# Altium PCB Layout.PcbDoc (part 2 of 4)
Units mil, origin at the board's own origin, x right, y up, seen from the top; angles counter-clockwise.
Board outline 10232.28 x 5133.86 mil, 4 copper layers (Top Layer, Mid 1, Mid 2, Bottom Layer), stack 23.756 mil thick; 494 components, 257 nets, 1544 pads, 835 vias.
Unrouted connection lines stored in the file: 4.
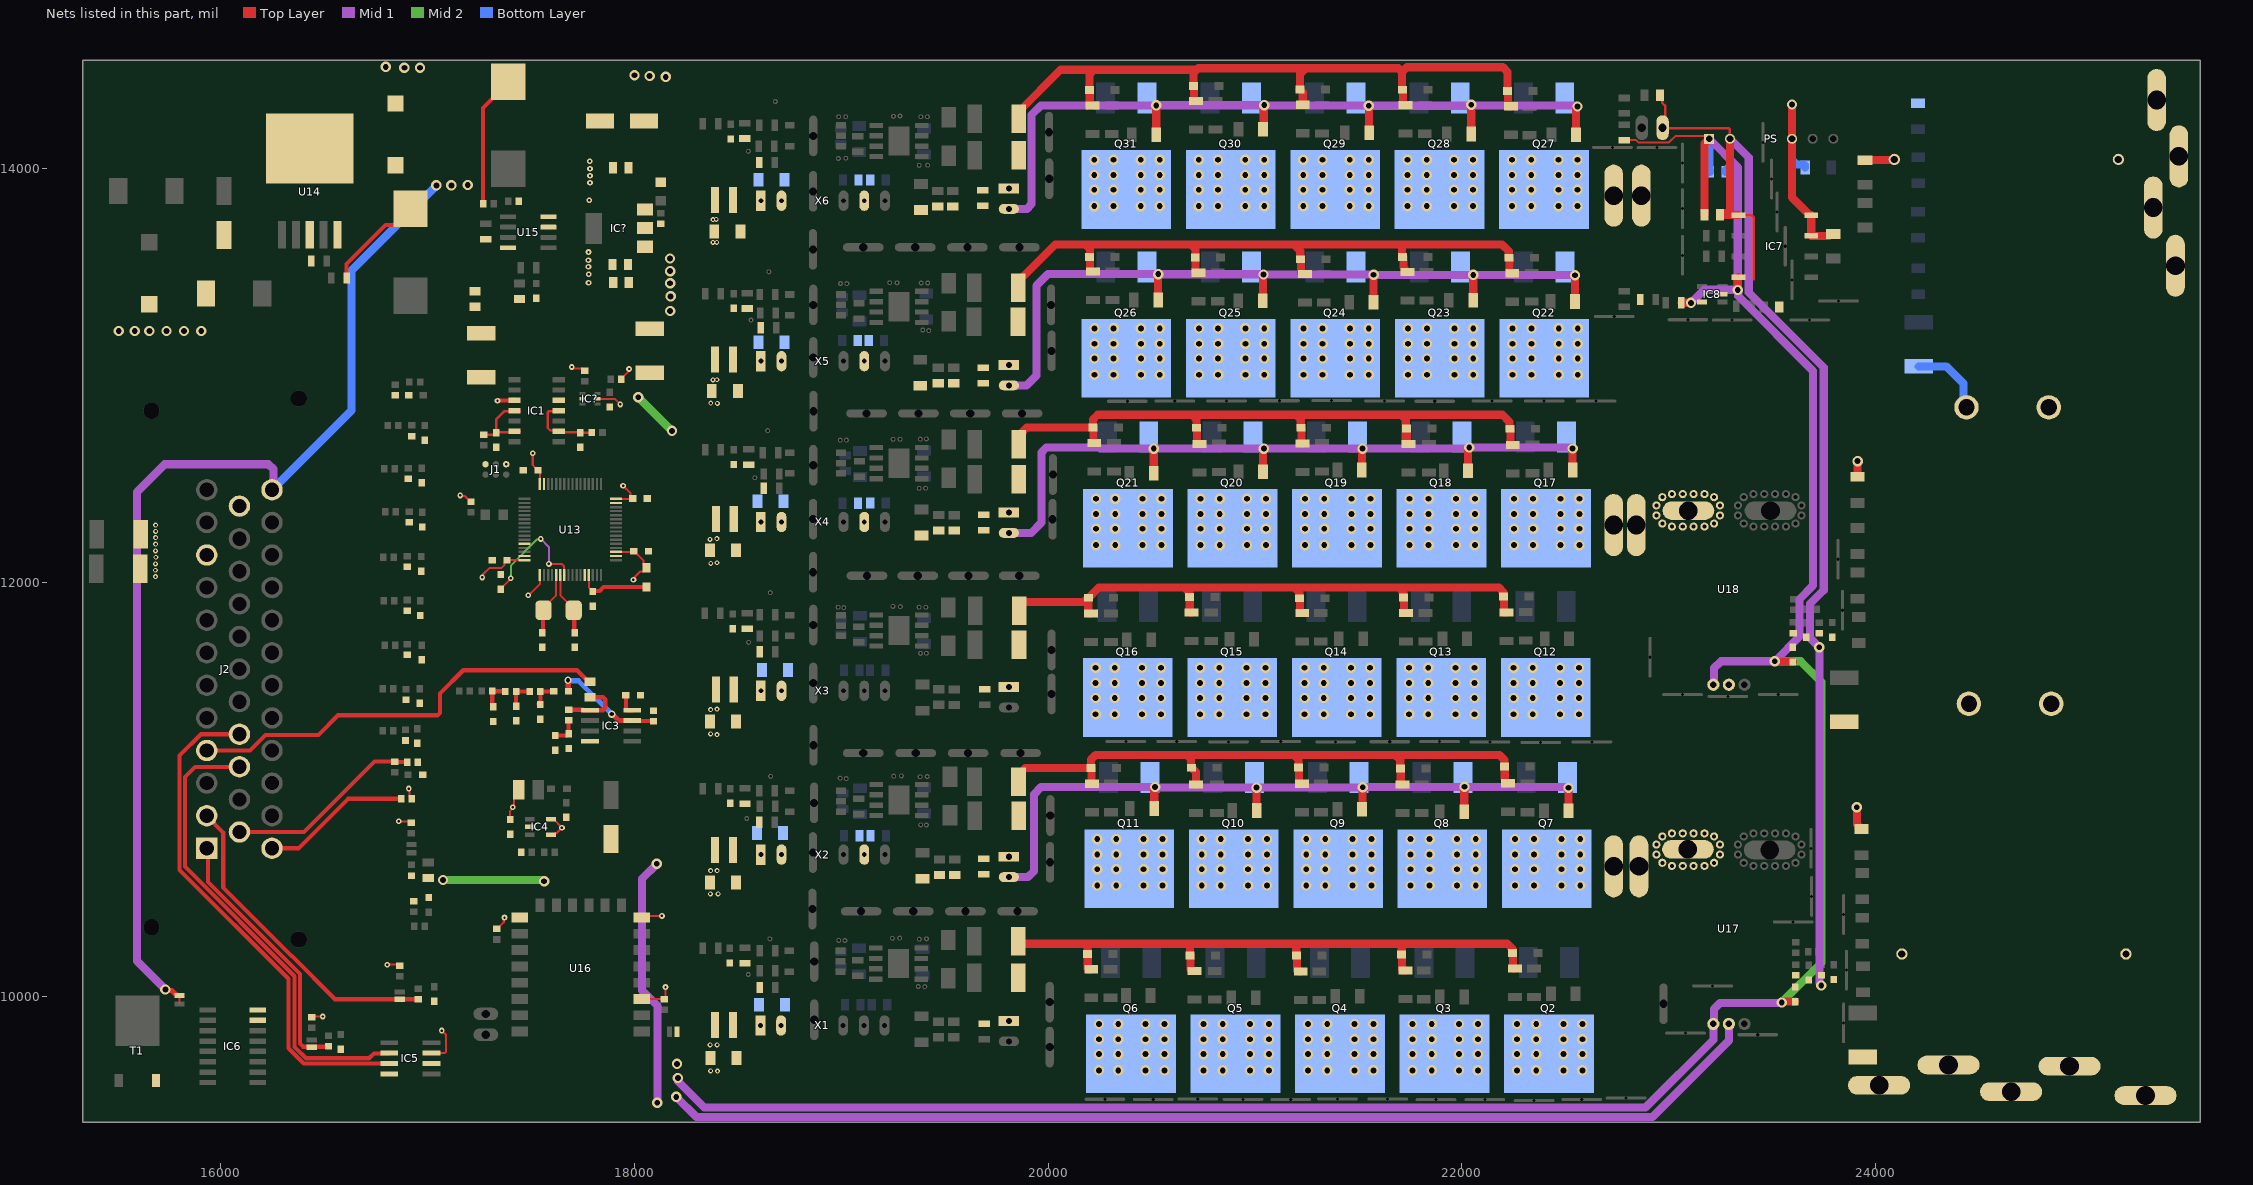
[diagram p4: the nets of this part, all layers, seen from the top]

## Part data
C1 C4 C5 C8 C9 C11 C14 C15 C18 C19 C21 C24 C25 C28 C29 C31 C34 C35 C38 C39 C41 C44 C45 C48 C49 C51 C54 C55 C58 C59 C90 C94 C96 C98 C118: library part C-0805
C2 C3 C10 C12 C13 C20 C22 C23 C30 C32 C33 C40 C42 C43 C50 C52 C53 C60: library part Cap1206, "MLCC (3216) 1206 4.7uF 50VDC ±10% X7R", Manufacturer=SAMSUNG, Özdisan Part Number=CL31B475KBHNNNE, Link=https://www.ozdisan.com/pasif-komponentler/kondansatorler/smd-kondansatorler-mlcc/CL31B475KBHNNNE, Price=0,10407
C6 C7 C16 C17 C26 C27 C36 C37 C46 C47 C56 C57 C126 C128 C129 C130 C131 C132 C133 C134 C135 C136 C137 C138 C139: library part C-1206
C61 C69 C70 C72 C74 C75 C76 C77 C78 C79 C80 C82: library part C-EUC0603, "CAPACITOR, European symbol", DeviceName=C0603, DeviceSetName=C-EU, GateName_1=G$1, LibraryName=rcl, SymbolName_1=C-EU
C62 C63 C64 C65 C66 C67 C68 C71 C84 C85 C86 C87 C88 C89 C95: library part C-0603
C73: library part C-EUC0805, "CAPACITOR, European symbol", DeviceName=C0805, DeviceSetName=C-EU, GateName_1=G$1, LibraryName=rcl, SymbolName_1=C-EU
C81 C93 C97: library part "100 uF Electr Cap"
C91 C92: library part "CAP 330UF SMD", "CAP ALUM 330UF 20% 16V SMD", Package="RADIAL-2 Panasonic", Availability="In Stock", Check_prices=https://www.snapeda.com/parts/EEE-TC1C331V/Panasonic/view-part/6178283/?ref=eda, MF="Panasonic Electronic Components", MP=EEE-TC1C331V, Price=None, Purchase-URL=https://pricing.snapeda.com/search/part/EEE-TC1C331V/?ref=eda, SnapEDA_Link=https://www.snapeda.com/parts/EEE-TC1C331V/Panasonic/view-part/6178283/?ref=snap
C119 C123: library part "CAP.POL 22UF 500VDC", ComponentLink1Description=https://www.ozdisan.com/pasif-komponentler/kondansatorler/film-kondansatorler/C3D2H226JB00C00, ComponentLink1URL=https://www.ozdisan.com/pasif-komponentler/kondansatorler/film-kondansatorler/C3D2H226JB00C00
C120 C121: library part "Aluminum Electrolytic Capacitors", Capacitance=4.7mF, Case/Package=Radial, Manufacturer=Nichicon, Manufacturer Part Number=LKS1J472MESZ, Max Operating Temperature=85°C, Min Operating Temperature=-40°C, Package Quantity=250, Ripple Current=3A, Supplier Part Number 1=647-LKS1J472MESZ, Tolerance=20%, Voltage Rating=63V, ComponentLink2Description=https://www.ozdisan.com/pasif-komponentler/kondansatorler/aluminyum-kondansatorler/PKL5-063V472MM450, ComponentLink2URL=https://www.ozdisan.com/pasif-komponentler/kondansatorler/aluminyum-kondansatorler/PKL5-063V472MM450, Diameter=22mm, Height - Seated (Max)=1.772inch, Lead Pitch=0.394inch, Length=45mm, Life (Hours)=1000Hour, Mount="Through Hole", Packaging=Bulk, RoHS=Yes, Supplier 1=Mouser, Termination="Snap in", Voltage Rating (DC)=63V
D1 D2 D3 D4 D5 D6: "DIODE FAST SWITCHING Single 150mA 75V SMT SOD323"
D7 D11: "Green LED Indication - Discrete 1.7V 0805 (2012 Metric)", Package=None, Availability=Unavailable, MP=7012X1, Price=None
D8: library part DIODESOD-323F, "Diode   SMADIODE - SMA Surface Mount Package  20V 1A Schottky Diode Digikey: 641-1014-6-ND    DO-1N4148 - Through Hole Small Current Diode SOD-123 20V 1 A (.5mV Vf) Schottky Diode - Digikey: MBRX120TPMSCT-ND    SOD-323 10V 570mA (.38mV Vf, 3ns) Schottky Diode - Digikey: ZLLS410CT-ND    SOD-523 30V 30mA Schottky Diode (RB751S-40TE61) - Digikey: RB751S-40TE61CT-ND    SOT23-R/W - SOT23 Package (R = Solder Paste/Reflow Ovens, W = Hand-Soldering)  BAT54Film 40V 300mA - Digikey: 497-7162-1-ND", DeviceName=SOD-323F, DeviceSetName=DIODE, GateName_1=G$1, LibraryName=adafruit, SymbolName_1=DIODE
D9 D10: "Diode Schottky 40V 5A Surface Mount DO-214AA (SMB)", Package="DO-214 ON Semiconductor", Arrow_Electronics-Purchase-URL=https://snapeda.com/shop?store=Arrow+Electronics&id=432205, Availability=Good, DigiKey-Purchase-URL=https://snapeda.com/shop?store=DigiKey&id=432205, MF="ON Semiconductor", Mouser-Purchase-URL=https://snapeda.com/shop?store=Mouser&id=432205, MP=MBRS320T3G, Price=None, SnapEDA_Link=https://www.snapeda.com/parts/MBRS320T3G/ON%20Semiconductor/view-part/432205/?ref=snap
D12 D13 D14 D15 D16 D17 D18 D19 D20 D21 D22 D23 D24 D25 D26 D27 D28 D29 D30 D31 D32 D33 D34 D35 D36 D37 D38 D39 D40 D41: library part 1N4148W-E3-18, "Diode Small Signal Switching 100V 0.15A 2-Pin SOD-123 T/R", Average Rectified Current=150mA, Forward Voltage=1.2V, Manufacturer=Vishay, Max Operating Temperature=150°C, Max Power Dissipation=350mW, Max Repetitive Reverse Voltage (Vrrm)=100V, Max Reverse Leakage Current=5uA, Max Reverse Voltage (DC)=75V, Max Surge Current=2A, Min Operating Temperature=-55°C, Package Quantity=10000, Peak Reverse Current=100uA, Supplier Part Number 1=70061597, ComponentLink1Description=https://datasheet.ciiva.com/29885/1n4148w-29885941.pdf?src-supplier=Avnet, ComponentLink1URL=https://datasheet.ciiva.com/29885/1n4148w-29885941.pdf?src-supplier=Avnet, ComponentLink2Description=https://datasheet.ciiva.com/29593/1n4148w-29593113.pdf?src-supplier=Digi-Key, ComponentLink2URL=https://datasheet.ciiva.com/29593/1n4148w-29593113.pdf?src-supplier=Digi-Key, ComponentLink3Description=https://datasheet.ciiva.com/29593/1n4148w-29593111.pdf?src-supplier=Digi-Key, ComponentLink3URL=https://datasheet.ciiva.com/29593/1n4148w-29593111.pdf?src-supplier=Digi-Key, ComponentLink4Description=https://datasheet.ciiva.com/29593/1n4148w-29593112.pdf?src-supplier=Digi-Key, ComponentLink4URL=https://datasheet.ciiva.com/29593/1n4148w-29593112.pdf?src-supplier=Digi-Key, Contact Plating=Tin, Element Configuration=Single, Forward Current=150mA, Height=1.25mm, Lead Free="Lead Free", Length=2.85mm, Manufacturer Part Number=1N4148W-E3-18, Mount="Surface Mount", Number of Pins=2, Packaging="Tape and Reel", Peak Non-Repetitive Surge Current=2A, Power Dissipation=350mW, Pricing 1="1 = 0.03900, 25 = 0.03800, 100 = 0.03600, 250 = 0.03400, 500 = 0.03200, 1000 = 0.03100, 2500 = 0.02900 (USD)", Radiation Hardening=No, Recovery Time=4ns, Reverse Recovery Time=4ns, RoHS=Yes, Stock 1=6838, Supplier 1="Allied Electronics", Weight=0.000363oz, Width=1.7mm
IC1: "Integrated Circuit", Manufacturer_Name="Texas Instruments", Mouser Part Number=595-LM2901AVQDRQ1, Arrow Part Number=LM2901AVQDRQ1, Arrow Price/Stock=https://www.arrow.com/en/products/lm2901avqdrq1/texas-instruments, Datasheet Link=http://www.ti.com/lit/gpn/lm2901av-q1, Height=1.75mm, Manufacturer_Part_Number=LM2901AVQDRQ1, Mouser Price/Stock=https://www.mouser.co.uk/ProductDetail/Texas-Instruments/LM2901AVQDRQ1?qs=pAO1Z172M84zSPVjiTRtmQ%3D%3D
IC3: "OP AMP", DeviceName=D, DeviceSetName=TDA2822, GateName_1=A, GateName_2=B, GateName_3=P, LibraryName=st-microelectronics, SymbolName_1=OPAMP, SymbolName_2=OPAMP, SymbolName_3=PWR+-
IC5: library part MCP2551, "CAN transceiver", DeviceSetName=MCP2551, GateName_1=G$1, LibraryName=SparkFun-DigitalIC, SymbolName_1=MCP2551
IC6: "DRIVER ARRAY", DeviceName=D, DeviceSetName=ULN2003A, GateName_1=A, LibraryName=uln-udn, SymbolName_1=2001A
IC7: "Integrated Circuit", Manufacturer_Name="Silicon Labs", Mouser Part Number=634-SI8920BC-IP, Arrow Part Number=SI8920BC-IP, Arrow Price/Stock=https://www.arrow.com/en/products/si8920bc-ip/silicon-labs?region=nac, Datasheet Link=https://mouser.componentsearchengine.com/Datasheets/2/SI8920BC-IP.pdf, Height=4.19mm, Manufacturer_Part_Number=SI8920BC-IP, Mouser Price/Stock=https://www.mouser.co.uk/ProductDetail/Silicon-Labs/SI8920BC-IP?qs=bB7QTEcmLuN2VIVidYwh9w%3D%3D
IC8: "Integrated Circuit", Arrow Part Number=OPA344NA/250G4, Manufacturer_Name="Texas Instruments", Mouser Part Number=595-OPA344NA/250G4, Arrow Price/Stock=https://www.arrow.com/en/products/opa344na250g4/texas-instruments?region=nac, Datasheet Link=http://www.ti.com/lit/ds/symlink/opa344.pdf, Height=1.45mm, Manufacturer_Part_Number=OPA344NA/250G4, Mouser Price/Stock=https://www.mouser.co.uk/ProductDetail/Texas-Instruments/OPA344NA-250G4?qs=7nS3%252BbEUL6s62po7Pq3eXQ%3D%3D
IC?: library part 74*1G10X, "3-input NAND gate", DeviceName=X, DeviceSetName=74*1G10, GateName_1=>NAME, GateName_2=PWR, LibraryName=74xx-eu, SymbolName_1=7412, SymbolName_2=PWRN-1
IC?: "800mA and 1A Low Dropout (LDO) Positive Regulator   1.8V, 2.5V, 2.85V, 3.3V, 5V, and Adj", DeviceSetName=REG1117, GateName_1=G$1, LibraryName=burr-brown, MF=MF, MPN=REG1117, OC_FARNELL=1097566, OC_NEWARK=14P6981, SymbolName_1=REG1118
J1: "ARM20-CTX 20-Pin to TC2030-IDC Adapter for Cortex           6-Pin (TC2030-IDC family)  Cortex SWD  Adapters                  The Tag-Connect ARM20-CTX adapter board allows our TC2030-IDC cables to be used for ARM SWD (Single Wire Debug) applications. Although intended for use with our patented TC2030-IDC (and TC2030-IDC-NL) Plug-of-Nailsâ„¢ Cables, the adapter may be useful to people wishing to use 6-pin 0.1â€ ribbon headers on their PCB instead of the traditional 20-Pin header.   Please note the TC2030-IDC or TC2030-IDC-NL cable is purchased separately, the cables and Segger JLINK seen in the pictures are not included!   Download the Datasheet here.", DeviceName=-MCP, DeviceSetName=TC2030_SWD, GateName_1=G$1, LibraryName=tag-connect, SymbolName_1=SWD
J2: "Conn Power HDR 35 POS 4mm Solder ST Thru-Hole 35 Terminal 1 Port Automotive Loose", Package=None, Availability=Unavailable, DigiKey-Purchase-URL=https://snapeda.com/shop?store=DigiKey&id=1466385, EU_RoHS_Compliance=Compliant, MF="TE Connectivity", MP=776230-2, Price=None, SnapEDA_Link=https://www.snapeda.com/parts/776230-2/TE%20Connectivity%20AMP%20Connectors/view-part/1466385/?ref=snap
L1 L2 L3 L4 L5 L6: library part inductor
L7: library part MLZ2012M100HTD25, "FIXED IND 10UH 300MA 884 MOHM", Package=None, Availability=Unavailable, MP=MLZ2012M100HTD25, Price=None
L8: library part L-EUL2825P, "INDUCTOR, European symbol", DeviceName=L2825P, DeviceSetName=L-EU, GateName_1=G$1, LibraryName=rcl, SymbolName_1=L-EU
L9 L10: library part "220uH Inductor SMD", "Inductor Power Shielded Wirewound 220uH 20% 100KHz Ferrite 1.1A 0.325Ohm DCR 5049 Automotive T/R", Package=None, Availability=Unavailable, MP=MDH12577C-101MA=P3, Price=None
PS: "2W DC/DC-Converter 'ECONOLINE' SIP7 6.4kV unreg", Package="SIP-7 Recom Power", Digi-Key_Part_Number=945-3069-5-ND, Digi-Key_Purchase_URL=https://www.digikey.ca/product-detail/en/recom-power/R12P21503D/945-3069-5-ND/7354331?utm_source=snapeda&utm_medium=aggregator&utm_campaign=symbol, MF="Recom Power", MP=R12P21503D, SnapEDA_Link=https://www.snapeda.com/parts/R12P21503D/Recom%20Power/view-part/1592429/?ref=snap
Q1: "32MHz Â±30ppm Crystal 18pF 40 Ohms HC-49/US", Package="HC49/US Abracon", Check_prices=https://www.snapeda.com/parts/ABLS2-32.000MHZ-D4YF-T/Abracon%20LLC/view-part/333468/?ref=eda, Digi-Key_Part_Number=535-9888-1-ND, DigiKey-Purchase-URL=https://snapeda.com/shop?store=DigiKey&id=333468, MF=Abracon, Mouser-Purchase-URL=https://snapeda.com/shop?store=Mouser&id=333468, MP=ABLS2-32.000MHZ-D4YF-T, SnapEDA_Link=https://www.snapeda.com/parts/ABLS2-32.000MHZ-D4YF-T/Abracon%20LLC/view-part/333468/?ref=snap
R1 R3 R9 R11 R15 R17 R23 R25 R29 R31 R37 R39 R71 R206 R207 R208 R219 R220 R221: library part R-2512
R2 R5 R10 R14 R16 R19 R24 R27 R30 R33 R38 R41: library part Res0805, "RES.(2012) 0805 47K Ohms 5% 1/8W-S 100PPM", Manufacturer=ROYALOHM, Özdisan Part Number=0805S8J0473T5E, Link=https://www.ozdisan.com/pasif-komponentler/direncler/smt-smd-direncler/0805S8J0473T5E, Price=0,00234
R4 R6 R7 R8 R12 R13 R18 R20 R21 R22 R26 R28 R32 R34 R35 R36 R40 R42: library part Res0805, "RES.(2012) 0805 0 Ohms 5% 1/8W-S 800PPM", Manufacturer=ROYALOHM, Özdisan Part Number=0805S8J0000T5E, Link=https://www.ozdisan.com/pasif-komponentler/direncler/smt-smd-direncler/0805S8J0000T5E, Price=0,00234
R43 R73 R77 R78: library part R-0603
R44 R45 R46 R47 R48 R49 R50 R51 R52 R53 R54 R55: library part R-EU_R0603, "RESISTOR, European symbol", DeviceName=R0603, DeviceSetName=R-EU_, GateName_1=G$1, LibraryName=rcl, SymbolName_1=R-EU
R58 R59 R60 R61 R62 R63 R64 R65 R66 R67 R68 R69 R72 R74: library part R-0805
R75: library part "1K 0805", "1 kOhms ±1% 0.125W, 1/8W Chip Resistor 0805 (2012 Metric) Moisture Resistant Thick Film", +Sicaklik=+155, -Sicaklik=-55, Cins=Direnc, Deger=1K, Kılıf=0805, Lehim Yöntemi=SMD, MSL="1 (Unlimited)", Uretici Kodu=RC0805FR-071KL
R76: library part "RES 11KΩ SMD", "THICK FILM RESISTOR, 11KOHM, 125mW, 5%", Package=None, Availability=Unavailable, MP=CRCW080511K0JNEA, Price=None
R116 R118 R120 R122 R124 R131 R133 R135 R137 R139 R146 R148 R150 R152 R154 R161 R163 R165 R167 R169 R176 R178 R180 R182 R184 R191 R193 R195 R197 R199: library part "RES 11Ω 1206", "CRG1206 1% 11R", Package=None, Availability=Unavailable, MP=1623463-1, Price=None
R117 R119 R121 R123 R125 R132 R134 R136 R138 R140 R147 R149 R151 R153 R155 R162 R164 R166 R168 R170 R177 R179 R181 R183 R185 R192 R194 R196 R198 R200: library part "RES 22Ω 1206", "CRG1206 1% 22R", Package=None, Availability=Unavailable, MP=1623463-1, Price=None
R126 R127 R128 R129 R130 R141 R142 R143 R144 R145 R156 R157 R158 R159 R160 R171 R172 R173 R174 R175 R186 R187 R188 R189 R190 R201 R202 R203 R204 R205 R212 R213 R215: "Res1206"
SJ1 SJ? SJ? SJ? SJ?: "Solder JumperStandard SMD solder jumper. Used to automate production. Two varients : Normally Open and Normally Closed are the same, but have different paste layers. NC will have a large amount of paste and should jumper during reflow.", DeviceSetName=SOLDERJUMPER, GateName_1=1, LibraryName=SparkFun-Passives, SymbolName_1=SJ
  SJ1 SJ?: DeviceName=TRACE
  SJ? SJ? SJ?: DeviceName=NO
TMPHS? TMPHS?: "PIN HEADER", DeviceSetName=PINHD-1X2, GateName_1=G$1, LibraryName=pinhead, SymbolName_1=PINHD2
U1 U3 U5 U7 U9 U11: library part IXDN614SITR, "14A 8SOIC EXP MTL NON INVERTING", Case/Package=SOIC, Manufacturer="Ixys Clare", Max Operating Temperature=125°C, Max Output Current=14A, Max Supply Voltage=35V, Min Operating Temperature=-40°C, Min Supply Voltage=4.5V, Package Quantity=2000, Supplier Part Number 1=849-IXDN614SITR, ComponentLink1Description=https://datasheet.ciiva.com/6613/ixd-614-6613145.pdf?src-supplier=Digi-Key, ComponentLink1URL=https://datasheet.ciiva.com/6613/ixd-614-6613145.pdf?src-supplier=Digi-Key, Fall Time=25ns, Lead Free="Lead Free", Manufacturer Part Number=IXDN614SITR, Mount="Surface Mount", Number of Drivers=1, Number of Outputs=1, Number of Pins=8, Packaging="Tape and Reel", Pricing 1="1 = 4.24000, 10 = 3.79000, 50 = 3.41000, 100 = 3.10000, 1000 = 2.12000, 10000 = 1.90000 (USD)", Propagation Delay=70ns, Rise Time=35ns, RoHS=Yes, Supplier 1=Mouser
U2 U4 U6 U8 U10 U12: library part TLP152(TPL,E, "OPTOISO 3.75KV GATE DRIVER 6SO-5", Case/Package=SO, Forward Current=10mA, Forward Voltage=1.57V, High Level Output Current=2A, Manufacturer=Toshiba, Max Operating Temperature=100°C, Max Output Current=2.5A, Max Power Dissipation=260mW, Min Operating Temperature=-40°C, Package Quantity=3000, Supplier Part Number 1=757-TLP152TPLE, ComponentLink1Description=https://datasheet.ciiva.com/41848/tlp152-datasheet-en-20120914-41848928.pdf?src-supplier=Digi-Key, ComponentLink1URL=https://datasheet.ciiva.com/41848/tlp152-datasheet-en-20120914-41848928.pdf?src-supplier=Digi-Key, Direction=Unidirectional, Fall Time=22ns, Low Level Output Current=2A, Manufacturer Part Number=TLP152(TPL,E, Mount="Surface Mount", Number of Channels=1, Number of Pins=5, Output Current=2.5A, Packaging="Tape and Reel", Pricing 1="1 = 1.55000, 10 = 0.96800, 50 = 0.96800, 100 = 0.87200, 1000 = 0.54300, 10000 = 0.44000 (USD)", Propagation Delay=165ns, Pulse Width Distortion (PWD)=50ns, Rise Time=18ns, RoHS=Yes, Stock 1=22321, Supplier 1=Mouser, Turn-On Delay Time=190ns
U13: "ARMÂ® CortexÂ®-M3 STM32F1 Microcontroller IC 32-Bit 72MHz 128KB _128K x 8_ FLASH", Package="LQFP-64 STMicroelectronics", Availability=Unavailable, MF=STMicroelectronics, MP=STM32F103RBT6, Price=None, SnapEDA_Link=https://www.snapeda.com/parts/STM32F103RBT6/STMicroelectronics/view-part/558286/?ref=snap
U14: "SIMPLE SWITCHER&reg; 40V, 3A Low Component Count Step-Down Regulator 5-DDPAK/TO-263 -40 to 125", Package="TO-263-5 Texas Instruments", Availability=Warning, BuyPart=https://www.snapeda.com/parts/LM2576S-12/NOPB/Texas%20Instruments/view-part/470772/?ref=eda, DigiKey-Purchase-URL=https://snapeda.com/shop?store=DigiKey&id=470772, MF="Texas Instruments", Mouser-Purchase-URL=https://snapeda.com/shop?store=Mouser&id=470772, MP=LM2576S-12/NOPB, Price=None, SnapEDA_Link=https://www.snapeda.com/parts/LM2576S-12/NOPB/Texas%20Instruments/view-part/470772/?ref=snap, Texas_Instruments-Purchase-URL=https://snapeda.com/shop?store=Texas+Instruments&id=470772
U15: "330KHZ, 3A SYNCHRONOUS / BUCK CONTROLLER", Package="SOP-8 Taiwan Semiconductor", Availability="In Stock", Check_prices=https://www.snapeda.com/parts/TS2509CS%20RLG/Taiwan+Semiconductor+Corporation/view-part/?ref=eda, MF="Taiwan Semiconductor Corporation", MP="TS2509CS RLG", Price=None, SnapEDA_Link=https://www.snapeda.com/parts/TS2509CS%20RLG/Taiwan+Semiconductor+Corporation/view-part/?ref=snap
U16: "This WiFi module has a 32-bit MCU micro and clock speeds supporting 80 MHz or 160 MHz. Supports the RTOS and integrated Wi-Fi MAC/BB/RF/PA/LNA, and has an on-board antenna.", Package=None, Availability=Unavailable, MF=AI-Thinker, MP=ESP8266-12E/ESP-12E, Price=None, SnapEDA_Link=https://www.snapeda.com/parts/ESP8266-12E/ESP-12E/AI-Thinker/view-part/106414/?ref=snap
U17 U18: "Undefined or Miscellaneous", Manufacturer_Name="Allegro Microsystems", Arrow Part Number=ACS758ECB-200B-PFF-T, Arrow Price/Stock=https://www.arrow.com/en/products/acs758ecb-200b-pff-t/allegro-microsystems, Datasheet Link=http://www.farnell.com/datasheets/926109.pdf, Manufacturer_Part_Number=ACS758ECB-200B-PFF-T
X1 X2 X3 X4 X5 X6: Manufacturer=Recom, Max Output Voltage=15V, Supplier Part Number 1=945-3071-5-ND, Height=12.5mm, Length=19.5mm, Manufacturer Part Number=R24P21503D, Pricing 1="1 = 8.78000, 5 = 8.71200, 10 = 8.64500, 25 = 8.51200, 50 = 8.24600, 100 = 7.44800, 250 = 7.31500, 500 = 7.18200 (USD)", RoHS=No, Stock 1=378, Supplier 1=Digi-Key, Weight=4.3g, Width=9.8mm
Con1 Con2 Con3 Con4 Con5 Con6: System=Connector
IC4: DeviceName=YD5, DeviceSetName=MIC2288, GateName_1=G$1, LibraryName=adafruit, SymbolName_1=MIC2288
T1: D=D, DeviceSetName=AP9T18GH-HF, G=G, GateName_1=G$1, LibraryName=transistor-power, S=S, SymbolName_1=MOSFET_N

## Free pads (board coordinates)
  oval 39.37x196.85 hole 39.37 slot 196.85 at 90 deg: 5(18860.89,10420.98) 5(18863.47,10693.93) 5(18863.55,13608.85) 5(18864.23,12048.12) 5(18864.23,12305.02) 5(18864.46,13889.09) 5(18864.9,11512.96) 5(18864.9,11793.11) 5(18864.98,14157.18) 5(18864.98,12565.43) 5(18865.19,13086.17) 5(18865.19,13340.71) 5(18865.55,12826.53) 5(18865.75,11212.13) 5(18869.19,10934.07) 5(18869.75,9885.59) 5(18869.75,10166.79) 5(20004.91,14175.06) 5(20005.15,13949.99) 5(20007.55,9753.74) 5(20007.55,9971.09) 5(20009.14,10646.72) 5(20010.65,10872.64) 5(20014.49,13340.39) 5(20016.62,11460.1) 5(20016.62,11673.02) 5(20016.95,13118.18) 5(20021.65,12304.28) 5(20022.99,12520.63) 5(22973.92,9963)
  oval 196.85x39.37 hole 39.37 slot 196.85 at 0 deg: 5(19096.38,10409.89) 5(19106.34,11174.69) 5(19106.48,13618.78) 5(19122.83,12815.9) 5(19124.56,12031.36) 5(19348.41,10409.89) 5(19358.03,13618.78) 5(19359.99,11174.69) 5(19369.81,12031.36) 5(19373.35,12815.9) 5(19600.43,10409.89) 5(19609.58,13618.78) 5(19613.64,11174.69) 5(19615.05,12031.36) 5(19623.87,12815.9) 5(19852.46,10409.89) 5(19860.3,12031.36) 5(19861.13,13618.78) 5(19867.28,11174.69) 5(19874.39,12815.9)
  oval 196.85x15 hole 15 slot 196.85 at 0 deg: 5(20274.49,9501.69) 5(20375.8,11230.66) 5(20382.74,12874.91) 5(20507.93,9501.34) 5(20612.04,12875.12) 5(20621.43,11231.4) 5(20722.95,9503.12) 5(20862.4,12876.63) 5(20871.82,11228.77) 5(20941.52,9501.34) 5(21118.36,12877.45) 5(21123.96,11229.71) 5(21172.52,9501.34) 5(21370.3,12877.47) 5(21389.64,11229.02) 5(21398.19,9503.63) 5(21625.97,12876.56) 5(21640.92,9502.28) 5(21650.81,11229.36) 5(21868.35,12874.86) 5(21874.21,9499.59) 5(21891.53,11230.15) 5(22110.52,9499.77) 5(22134.95,11227.97) 5(22145.4,12876.44) 5(22348.5,9495.28) 5(22380.32,11225.82) 5(22397.07,12875.77) 5(22579,9501.27) 5(22627.83,11228.33) 5(22648.22,12875.24) 5(22727.28,14101.64) 5(22735.61,13284.27) 5(22793.03,9507.25) 5(22942.3,14100.71) 5(23065.79,11457.46) 5(23080.29,9821.22) 5(23091.62,13268.73) 5(23211,10049.21) 5(23284.95,11448.71) 5(23305.55,13266.84) 5(23429.15,9813.26) 5(23528.21,11457.46) 5(23600.48,10358.76) 5(23680.12,13267.72) 5(23819.49,13359.25)
  oval 90x300 hole 90 slot 300 at 90 deg: 5(22733,10627.2) 5(22733,12276.57) 5(22733,13868.38) 5(22842.52,12276.57) 5(22855.31,10627.2) 5(22867.13,13868.38) 5(25340.88,13810.85) 5(25356.88,14330.54) 5(25447.83,13529.53) 5(25464.57,14058.07)
  oval 15x196.85 hole 15 slot 196.85 at 90 deg: 5(22909.45,11637.8) 5(23065.26,13805.73) 5(23065.69,13579.72) 5(23065.69,14025.84) 5(23454.05,14125.87) 5(23495.79,13948.57) 5(23522.64,13789.37) 5(23562.25,13624.02) 5(23594.88,13461.62) 5(23686.81,10714.28) 5(23689.75,10481.95) 5(23817.27,12111.2) 5(23838.47,11864.72) 5(23844.47,9871.02) 5(23844.47,10394.45) 5(23857.54,10125.44)
  oval 250x90 hole 90 slot 250 at 0 deg: 5(23091.95,10709.32) 5(23094.27,12346.28) 5(23486.86,10706.3) 5(23491.07,12345.58)
  oval 300x90 hole 90 slot 300 at 0 deg: 5(24015.75,9568.9) 5(24351.38,9667.32) 5(24653.54,9538.39) 5(24936.02,9661.42) 5(25303.15,9519.68)
  round 23.62 hole 11.81: 6(18543.8,10858.5) 6(18550.61,10104.47) 6(18551.91,14082.31) 6(18552.61,11709.57) 6(18564.26,13267.24) 6(18582.7,12505.28) 6(18644.39,12732.9) 6(18650.8,13500.23) 6(18655.51,10276.93) 6(18657.81,11950.21) 6(18658.82,11061.95) 6(18682.3,14323.38) 6(18984.93,11879.07) 6(18986.7,14047.95) 6(18987.89,14249.7) 6(18988.09,10269.2) 6(18994.78,11053.49) 6(18995.67,12687.2) 6(18996.61,13443.91) 6(19012.55,11877.51) 6(19018.01,10268.79) 6(19021.82,14249.7) 6(19022.34,14049.27) 6(19024.26,11051.38) 6(19025.47,12687.2) 6(19027.7,13443.62) 6(19234.4,13447.65) 6(19247.2,10279.3) 6(19250.16,11883.24) 6(19250.65,12690.56) 6(19252.74,14251.69) 6(19253.67,11063.25) 6(19269.58,13447.14) 6(19282.37,10280.51) 6(19284.26,14253.34) 6(19284.58,12691.32) 6(19286.12,11882.2) 6(19291.18,11064.21) 6(19372.75,10046.58) 6(19376.27,11879.59) 6(19376.9,14014.88) 6(19377.06,12454.17) 6(19378.13,10275.3) 6(19381.3,11060.18) 6(19382.62,12692.07) 6(19383.4,11656.43) 6(19383.91,10827.4) 6(19385.16,14249.7) 6(19386.37,13446.12) 6(19394.11,13219.15) 6(19404.2,10046.07) 6(19408,12454.64) 6(19409.1,11879.07) 6(19411.81,10826.9) 6(19411.81,11656.94) 6(19411.93,12692.57) 6(19412.32,10276.93) 6(19415.35,11061.38) 6(19416.65,14249.7) 6(19417.72,14015.6) 6(19417.99,13446.12) 6(19422.76,13216.42)

## Via types
v1: diameter 50, hole 28, Top Layer to Bottom Layer, 605 vias
v2: diameter 27.56, hole 11.81, Top Layer to Bottom Layer, 109 vias
v3: diameter 19.68, hole 7.87, Top Layer to Bottom Layer, 72 vias
v4: diameter 23.62, hole 11.81, Top Layer to Bottom Layer, 33 vias
v5: diameter 35.43, hole 19.68, Top Layer to Bottom Layer, 9 vias
v6: diameter 157.48, hole 157.48, Top Layer to Bottom Layer, 7 vias

## Nets (pads, with @x,y where several pads share a name; then routed paths per layer and width w, separated by ;. In a path a pad name is that pad's centre, name@x,y a point inside that pad or via, vN(x,y) a via of type N, cw(c..) or ccw(c..) an arc to the next point about the centre after c; other vN are vias at no path point)
+3.3V: C64.2 C65.2 C66.2 C67.2 C98.2 C118.2 IC5.3 IC?.2@18051.68,13711.65 IC?.5 J1.1 L7.1 R43.2 R78.2 R79.1 R80.1 U13.1 U13.19 U13.32 U13.48 U13.64 U16.3 U16.8 | length 1688.4
  Top Layer w10: IC5.3@17020.58,9724.54 17084.17,9724.54 17090.03,9730.4 17090.03,9813.72 v2(17070.27,9833.49) ; v2(17158.71,12419.48) 17162.07,12416.13 17181.84,12416.13 17209.4,12388.57 R43.2@17211.37,12388.57 ; v2(17265.2,12023.54) 17268.56,12026.9 17268.56,12037.41 17300.76,12069.6 17359.07,12069.6 17371.92,12082.45 17371.92,12096.23 17382.67,12106.98 C65.2@17384.64,12106.98 U13.64@17470.72,12106.98 ; R80.1@17335.26,10324.86 17337.23,10324.86 17369.45,10357.08 17369.45,10376.16 v2(17372.81,10379.52) ; v2(17487.93,11937.86) 17490.59,11937.86 17543.72,11990.99 U13.1@17543.72,12033.98 ; v2(17509.41,12623.26) 17509.41,12565.79 17522.24,12552.96 17522.24,12550.99 17537.37,12535.86 17539.34,12535.86 17543.72,12531.48 U13.48@17543.72,12475.98 ; IC?.5@17822.76,12886.65 17905.8,12886.65 v2(17933.02,12859.43) ; U13.19@17912.72,12146.98 C66.2@17991.77,12146.98 ; U13.32@17912.72,12402.98 17990.62,12402.98 C67.2@17992.48,12404.83 17982.49,12414.81 17982.49,12429.52 v2(17945.82,12466.19) ; v2(17996.03,12012.36) 17999.39,12015.72 17999.39,12022.96 18028.55,12052.12 18045.05,12052.12 18059.73,12066.8 L7.1@18059.73,12069.6 18045.05,12084.28 18045.05,12103.58 17999.64,12148.99 C66.2@17997.67,12148.99 ; U16.3@18036.84,9986.35 18147.28,9986.35 18151,9990.07 v2(18151,10043.69) ; U16.8@18036.84,10380.05 18044.31,10387.52 v2(18133.77,10387.52)
  other v1: 18206.54,9672.68
  other v2: 17381.36,12570.63 17779.18,13447.56 17780.79,13489.02 17778.62,13525.32 17778.62,13556.37 17778.95,13595.68
+5V: C78.1 C90.2 C97.1 C99.2 C102.2 C122.2 C124.2 IC1.3 IC4.4 IC4.5 IC7.8 IC8.5 IC?.3@18051.68,13801.65 L8.1 L10.2 PS.1 R45.2 R47.2 R56.2 R73.2 R105.2 R107.2 R109.2 R216.1 R217.1 U17.1 U18.1 | length 13676.4
  Top Layer w10: R109.2@16441.93,9898.75 16444.67,9901.49 v2(16494.13,9901.49) ; v2(16806.52,10151.95) 16861.5,10151.95 R105.2@16867.13,10146.32 ; v2(16861.67,10844.56) 16914.82,10844.56 R56.2@16922.06,10837.33 ; v2(16909.85,11003.12) 16909.85,10998.36 16914.26,10993.95 16914.26,10964.36 R107.2@16925.01,10953.61 ; C78.1@17399.9,10853.97 17399.9,10895.16 17413.16,10908.42 v2(17413.16,10913.17) 17413.16,10917.92 17418.91,10923.67 17418.91,10975.1 L8.1@17441.47,10997.66 ; IC4.4@17597.23,10780.05 17610.03,10780.05 17618.33,10788.35 17625.97,10788.35 v2(17650.62,10813) 17650.62,10814.26 17610.03,10854.85 IC4.5@17597.23,10854.85 ; v2(17697.56,13040.21) 17702.31,13040.21 17709.32,13033.2 17750.07,13033.2 R45.2@17760.82,13022.45 ; R47.2@17936.94,12981.45 17936.94,12983.42 17971.54,13018.02 17971.54,13027.19 v2(17974.9,13030.55) ; R217.1@22783.52,14136.83 22841.34,14136.83 22852.31,14125.87 23000.58,14125.87 23032.15,14157.43 23180.68,14157.43 PS.1@23194.88,14143.23
  Top Layer w20: R73.2@17269.83,13829.33 17269.83,14291.41 17391.46,14413.04 L10.2@17391.46,14418.94 ; v2(17339.15,12877.76) 17339.82,12878.43 17420.66,12878.43 IC1.3@17421.34,12879.11 IC1.3@17418.55,12881.91
  Top Layer w39.37: R216.1@23060.58,13350.74 23060.83,13350.49 23106.77,13350.49 v1(23107.03,13350.23) ; C122.2@23172.33,13775.09 23172.33,14120.67 PS.1@23194.88,14143.23 ; v1(23333,13412.73) 23334.31,13414.04 23334.31,13472.7 IC7.8@23335.63,13474.02 ; v1(23511.42,11618.1) 23513.45,11616.07 23595.07,11616.07 23596.28,11614.86 C99.2@23598.63,11614.86 ; v1@23547.21,9973.39 C102.2@23609.41,9973.39
  Mid 1 w39.37: v1(18210.74,9604.54) 18212.77,9602.5 18212.77,9586.73 18338.44,9461.05 22886.76,9461.05 23214.76,9789.05 U17.1@23214.76,9865.56 23218.53,9869.33 23218.53,9938.35 23246.74,9966.56 23545.3,9966.56 v1@23546.26,9967.52 ; v1(23107.03,13350.23) 23170.12,13413.32 v1@23332.4,13413.32 ; PS.1@23194.88,14143.23 23333,14005.11 v1(23333,13412.73) 23335.03,13410.69 23335.03,13383.22 23697.16,13021.09 23697.16,11983.72 23631.17,11917.73 23631.17,11737.86 v1(23511.42,11618.1) 23250.98,11618.1 23218.53,11585.66 23218.53,11508.69 U18.1@23214.76,11504.92
  Mid 2 w39.37: v1(23511.42,11618.1) 23636.91,11618.1 23737.2,11517.82 23737.2,10161.14 v1(23544.92,9968.86)
  Bottom Layer w39.37: PS.1@23194.88,14143.23 23194.88,13994.92 23198.9,13990.9 C124.2@23198.9,13983.02
  other v2: 17782.8,13845.82 17786.09,13930.6 17786.09,13964.12 17786.09,13997.64 17785.31,14034.87
+12V: C2.2 C12.2 C23.2 C32.2 C42.2 C52.2 C92.1 C94.2 J2.35 L1.1 L2.1 L3.1 L4.1 L5.1 L6.1 L9.2 R72.2 R76.2 SJ1.2 U15.4 | length 5659.8
  Top Layer w20: R76.2@16610.25,13470.27 16610.25,13538.48 16798.9,13727.12 16846.14,13727.12 16918.82,13799.8 L9.2@16918.82,13805.71
  Top Layer w25: v1(15734.09,10032) 15738.87,10027.22 15764.94,10027.22 15789.67,10002.5 SJ1.2@15802.17,10002.5
  Mid 1 w39.37: v1(15734.09,10032) 15596.95,10169.14 15596.95,12436.52 15730.52,12570.09 16232.97,12570.09 16256.04,12547.03 16256.04,12453.37 J2.35@16249.41,12446.74
  Bottom Layer w39.37: J2.35@16249.41,12446.74 16632.89,12830.22 16632.89,13506.91 v1(17043.89,13917.91)
  other v1: 17116.37,13917.91 17195.72,13919.99
  other v4: 18402.35,9637.67 18368.72,9639.03 18366.39,9764.45 18400.77,9764.45 18367.84,10494.13 18405.51,10494.09 18369.01,10606.26 18400.59,10606.66 18399.82,11263.58 18369.01,11267.52 18369.17,11384.57 18399.82,11387.17 18369.75,12091.46 18399.82,12094.11 18365.95,12207.56 18399.18,12210.98 18401.83,12864.68 18369.75,12865.81 18380.42,12978.05 18399.18,12978.65 18380.42,13642.45 18398.41,13642.54 18380.42,13752.92 18396.34,13753.67
+48V: J2.10 R71.2 R208.2 | length 68.7
  Top Layer w39.37: R71.2@15612.96,12065.81 R71.2@15612.96,12099.27 ; R208.2@15615.16,12199.31 R208.2@15615.16,12232.77
  Bottom Layer w39.37: J2.10@15933.22,12130.55 J2.10@15934.45,12131.78
  other v4: 15686.5,12027.66 15686.24,12058.27 15686.38,12089.13 15687.95,12120.98 15686.38,12151.56 15687.22,12184.43 15687.22,12216.01 15686.67,12245.93 15686.67,12276.41
A: pad.5@22733,10627.2 pad.5@22855.31,10627.2 pad.5@23091.95,10709.32 Q7.3 Q8.3 Q9.3 Q10.3 Q11.3 U17.5
  other v1: 20237.18,10534.45 20329.7,10534.45 20461.59,10534.45 20553.12,10534.45 20742.13,10534.45 20834.65,10534.45 20966.54,10534.45 21058.07,10534.45 21247.07,10534.45 21339.59,10534.45 21471.48,10534.45 21563.02,10534.45 21751.03,10534.45 21843.55,10534.45 21975.44,10534.45 22066.98,10534.45 22255.98,10534.45 22348.5,10534.45 22480.39,10534.45 22571.92,10534.45 20237.18,10613.19 20329.7,10613.19 20461.59,10613.19 20553.12,10613.19 20742.13,10613.19 20834.65,10613.19 20966.54,10613.19 21058.07,10613.19 21247.07,10613.19 21339.59,10613.19 21471.48,10613.19 21563.02,10613.19 21751.03,10613.19 21843.55,10613.19 21975.44,10613.19 22066.98,10613.19 22255.98,10613.19 22348.5,10613.19 22480.39,10613.19 22571.92,10613.19 20237.18,10685.04 20329.7,10685.04 20461.59,10685.04 20553.12,10685.04 20742.13,10685.04 20834.65,10685.04 20966.54,10685.04 21058.07,10685.04 21247.07,10685.04 21339.59,10685.04 21471.48,10685.04 21563.02,10685.04 21751.03,10685.04 21843.55,10685.04 21975.44,10685.04 22066.98,10685.04 22255.98,10685.04 22348.5,10685.04 22480.39,10685.04 22571.92,10685.04 20237.18,10758.86 20329.7,10758.86 20461.59,10758.86 20553.12,10758.86 20742.13,10758.86 20834.65,10758.86 20966.54,10758.86 21058.07,10758.86 21247.07,10758.86 21339.59,10758.86 21471.48,10758.86 21563.02,10758.86 21751.03,10758.86 21843.55,10758.86 21975.44,10758.86 22066.98,10758.86 22255.98,10758.86 22348.5,10758.86 22480.39,10758.86 22571.92,10758.86
B: pad.5@22733,12276.57 pad.5@22842.52,12276.57 pad.5@23094.27,12346.28 Q17.3 Q18.3 Q19.3 Q20.3 Q21.3 U18.5
  other v1: 20231.56,12179.64 20324.08,12179.64 20455.97,12179.64 20547.5,12179.64 20736.5,12179.64 20829.02,12179.64 20960.91,12179.64 21052.45,12179.64 21241.45,12179.64 21333.97,12179.64 21465.86,12179.64 21557.39,12179.64 21746.39,12179.64 21838.91,12179.64 21970.8,12179.64 22062.34,12179.64 22251.34,12179.64 22343.86,12179.64 22475.75,12179.64 22567.29,12179.64 20231.56,12258.38 20324.08,12258.38 20455.97,12258.38 20547.5,12258.38 20736.5,12258.38 20829.02,12258.38 20960.91,12258.38 21052.45,12258.38 21241.45,12258.38 21333.97,12258.38 21465.86,12258.38 21557.39,12258.38 21746.39,12258.38 21838.91,12258.38 21970.8,12258.38 22062.34,12258.38 22251.34,12258.38 22343.86,12258.38 22475.75,12258.38 22567.29,12258.38 20231.56,12330.23 20324.08,12330.23 20455.97,12330.23 20547.5,12330.23 20736.5,12330.23 20829.02,12330.23 20960.91,12330.23 21052.45,12330.23 21241.45,12330.23 21333.97,12330.23 21465.86,12330.23 21557.39,12330.23 21746.39,12330.23 21838.91,12330.23 21970.8,12330.23 22062.34,12330.23 22251.34,12330.23 22343.86,12330.23 22475.75,12330.23 22567.29,12330.23 20231.56,12404.05 20324.08,12404.05 20455.97,12404.05 20547.5,12404.05 20736.5,12404.05 20829.02,12404.05 20960.91,12404.05 21052.45,12404.05 21241.45,12404.05 21333.97,12404.05 21465.86,12404.05 21557.39,12404.05 21746.39,12404.05 21838.91,12404.05 21970.8,12404.05 22062.34,12404.05 22251.34,12404.05 22343.86,12404.05 22475.75,12404.05 22567.29,12404.05